# Altium PCB 8-8控制板.PcbDoc (part 1 of 5) (continued)
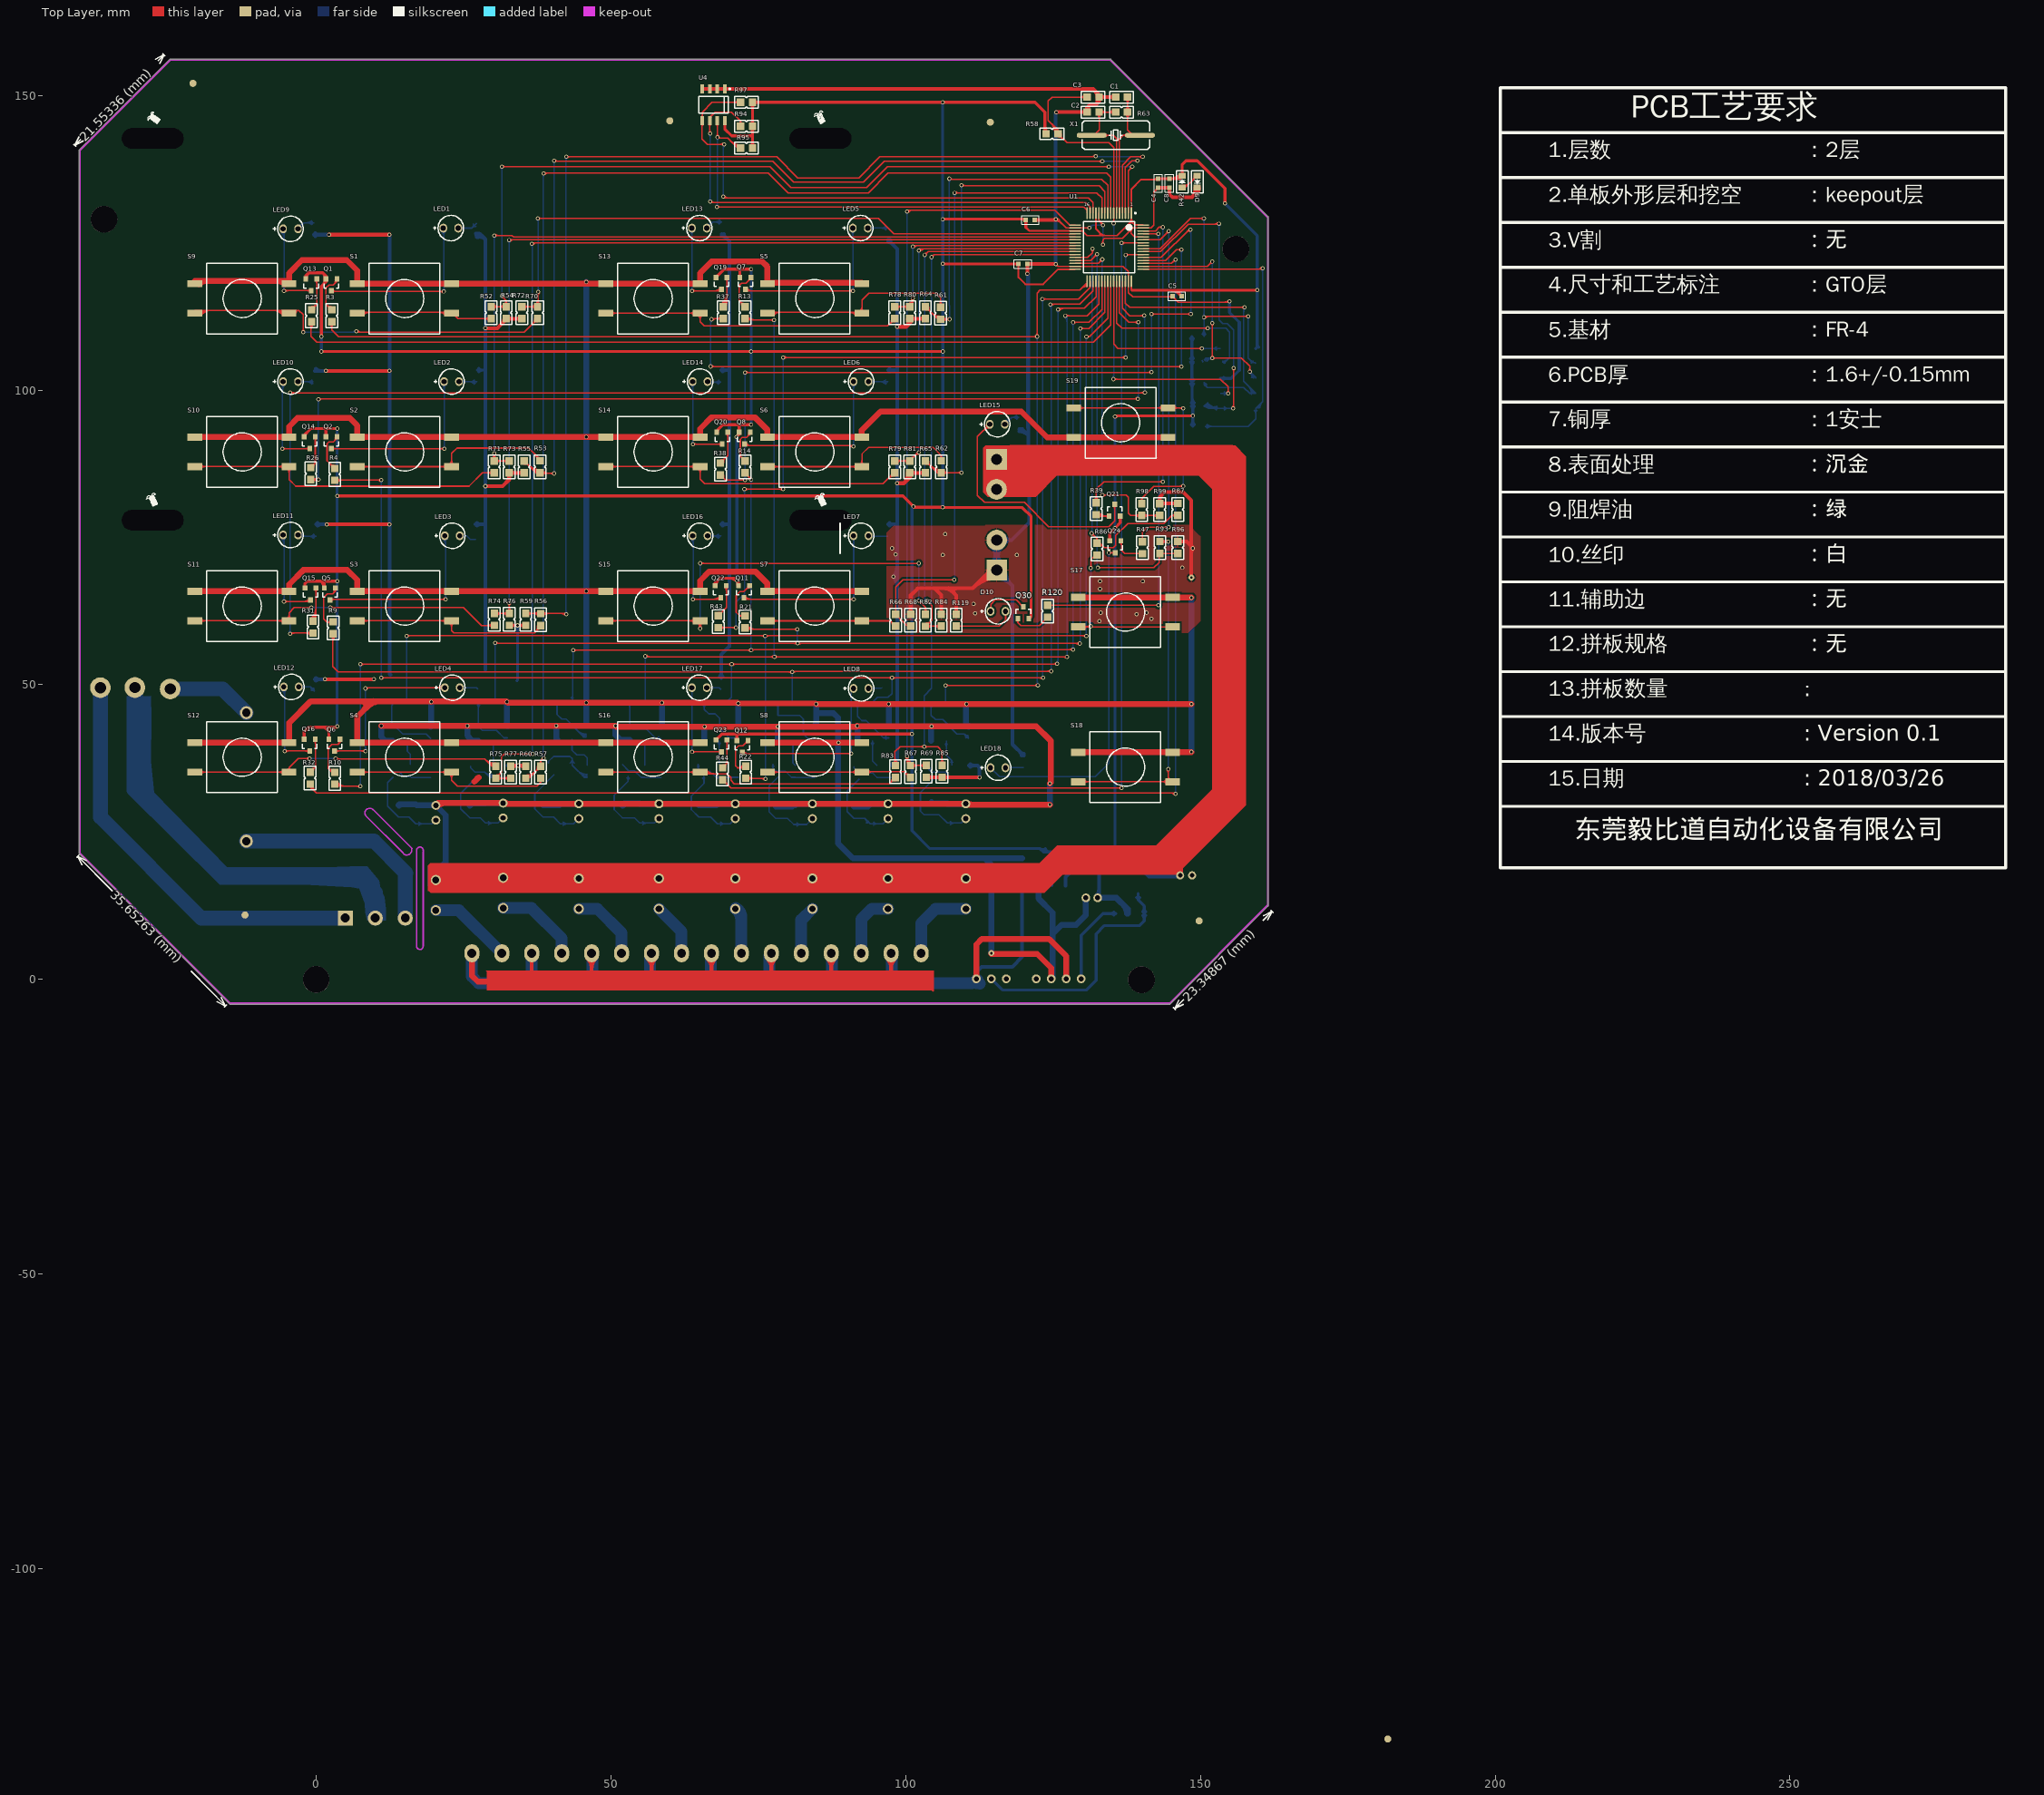
[diagram p0: Top Layer view]
## Components (designator, comment, footprint, x,y, rotation, side; value= is the part's Value field where it differs from the comment) (continued)
R67 "Res2" "0805 R 1/8W" 100.813,34.265 r90 top
R68 "Res2" "0805 R 1/8W" 100.838,61.976 r270 top
R69 "Res2" "0805 R 1/8W" 103.505,34.29 r90 top
R70 "Res2" "0805 R 1/8W" 37.567,112.116 r90 top
R71 "Res2" "0805 R 1/8W" 30.201,85.954 r90 top
R72 "Res2" "0805 R 1/8W" 34.9,112.116 r90 top
R73 "Res2" "0805 R 1/8W" 32.741,85.954 r90 top
R74 "Res2" "0805 R 1/8W" 30.226,60.071 r90 top
R75 "Res2" "0805 R 1/8W" 30.455,36.17 r270 top
R76 "Res2" "0805 R 1/8W" 32.766,60.071 r90 top
R77 "Res2" "0805 R 1/8W" 32.995,36.17 r270 top
R78 "Res2" "0805 R 1/8W" 98.146,112.116 r90 top
R79 "Res2" "0805 R 1/8W" 98.146,85.954 r90 top
R80 "Res2" "0805 R 1/8W" 100.686,112.116 r90 top
R81 "Res2" "0805 R 1/8W" 100.686,85.954 r90 top
R82 "Res2" "0805 R 1/8W" 103.353,61.951 r270 top
R83 "Res2" "0805 R 1/8W" 98.273,34.265 r90 top
R84 "Res2" "0805 R 1/8W" 106.045,61.976 r270 top
R85 "Res2" "0805 R 1/8W" 106.172,34.29 r90 top
R86 "Res2" "0805 R 1/8W" 132.461,72.009 r90 top
R87 "Res2" "0805 R 1/8W" 146.177,80.772 r270 top
R88 "Res2" "0805 R 1/8W" 150.749,97.536 r180 bottom
R89 "Res2" "0805 R 1/8W" 150.749,93.853 r180 bottom
R90 "Res2" "0805 R 1/8W" 150.622,101.346 r180 bottom
R91 "Res2" "0805 R 1/8W" 150.597,105.035 r180 bottom
R92 "Res2" "0805 R 1/8W" 150.597,109.068 r180 bottom
R93 "Res2" "0805 R 1/8W" 143.129,74.295 r270 top
R94 "Res2" "0805 R 1/8W" 71.984,144.755 r0 top
R95 "Res2" "0805 R 1/8W" 71.984,141.072 r0 top
R96 "Res2" "0805 R 1/8W" 146.177,74.295 r270 top
R97 "Res2" "0805 R 1/8W" 71.984,148.819 r0 top
R98 "Res2" "0805 R 1/8W" 140.056,80.747 r270 top
R99 "Res2" "0805 R 1/8W" 143.104,80.747 r270 top
R101 "RES" "0805 R 1/8W" 27.178,128.27 r270 bottom
R102 "RES" "0805 R 1/8W" 27.051,75.184 r90 bottom
R103 "RES" "0805 R 1/8W" 97.028,127.508 r270 bottom
R104 "RES" "0805 R 1/8W" 97.028,75.184 r90 bottom
R105 "RES" "0805 R 1/8W" -0.381,128.397 r270 bottom
R106 "RES" "0805 R 1/8W" 0,75.184 r90 bottom
R107 "RES" "0805 R 1/8W" 68.834,128.524 r270 bottom
R108 "RES" "0805 R 1/8W" 68.707,75.184 r90 bottom
R109 "RES" "0805 R 1/8W" 27.305,101.346 r90 bottom
R110 "RES" "0805 R 1/8W" 27.432,49.276 r90 bottom
R111 "RES" "0805 R 1/8W" 97.028,101.346 r90 bottom
R112 "RES" "0805 R 1/8W" 96.012,49.53 r90 bottom
R113 "RES" "0805 R 1/8W" -0.254,101.346 r90 bottom
R114 "RES" "0805 R 1/8W" -0.254,48.895 r90 bottom
R115 "RES" "0805 R 1/8W" 68.707,101.346 r90 bottom
R116 "RES" "0805 R 1/8W" 68.707,49.149 r90 bottom
R117 "RES" "0805 R 1/8W" 119.253,95.377 r270 bottom
R118 "RES" "0805 R 1/8W" 120.015,35.941 r90 bottom
R119 "RES" "0805 R 1/8W" 108.585,59.944 r90 top
R120 "RES" "0805 R 1/8W" 124.079,63.5 r270 top
S1 "S_SET" 12*12*4.3 14.961,115.545 r0 top locked
S2 "S_SET" 12*12*4.3 14.961,89.51 r0 top locked
S3 "S_SET" 12*12*4.3 14.961,63.348 r0 top locked
S4 "S_SET" 12*12*4.3 14.961,37.694 r0 top locked
S5 "S_SET" 12*12*4.3 84.557,115.545 r0 top locked
S6 "S_SET" 12*12*4.3 84.557,89.51 r0 top locked
S7 "S_SET" 12*12*4.3 84.557,63.348 r0 top locked
S8 "S_SET" 12*12*4.3 84.557,37.694 r0 top locked
S9 "S_SET" 12*12*4.3 -12.598,115.545 r0 top locked
S10 "S_SET" 12*12*4.3 -12.598,89.51 r0 top locked
S11 "S_SET" 12*12*4.3 -12.598,63.348 r0 top locked
S12 "S_SET" 12*12*4.3 -12.598,37.694 r0 top locked
S13 "S_SET" 12*12*4.3 57.125,115.545 r0 top locked
S14 "S_SET" 12*12*4.3 57.125,89.51 r0 top locked
S15 "S_SET" 12*12*4.3 57.125,63.348 r0 top locked
S16 "S_SET" 12*12*4.3 57.125,37.694 r0 top locked
S17 "S_SET" 12*12*4.3 137.262,62.332 r0 top locked
S18 "S_SET" 12*12*4.3 137.262,36.043 r0 top locked
S19 "S_SET" 12*12*4.3 136.5,94.463 r180 top locked
U1 "STM32F103RBT6" STM32F103RBT6 138.278,130.023 r270 top
U2 "AMS1117" SOT223_L 124.816,18.771 r90 bottom
U3 "WRB2405S-3WR2" WRB_S-3WR2 111.989,0.102 r0 bottom
U4 "AT24C16A" SOIC 69.317,151.105 r270 top
X1 "12M" "XTAL SMD" 131.547,143.231 r0 top

## Footprints (in the part's own frame and the unit in brackets; to place one, negate y for a bottom-side part, rotate by r counter-clockwise, add the part's x,y. Pads: shape width x height; smd on the part's side, far side on the other; paste and mask are expansions set on the pad)
1A/250V-1 [mil]
  round 87 hole 55: 1(0,0) 2(858,0)
  silkscreen extent -82,-166 940,163
12*12*4.3 [mm]
  rect 2.5x1.2 smd: 1(-8,2.5) 2(-8,-2.5) 3(8,-2.5) 4(8,2.5)
  silkscreen extent -6.01,-6 6,6
"0603 C" [mil]
  rect 30x30 smd: 1(0,0) 2(60,0)
  silkscreen extent -28,-28 88,28
"0805 C" [mil]
  rect 50x50 smd: 1(0,0) 2(80,0)
  silkscreen extent -39,-39 119,39
"0805 D" [mil]
  rect 40x50 smd: 1(0,0) 2(80,0)
  silkscreen extent -34,-39 114,39
"0805 R 1/8W" [mil]
  rect 50x50 smd: 1(0,0) 2(80,0)
  silkscreen extent -39,-39 119,39
"9012  SOT-23/TO-236)" [mil]
  rect 32x36 smd: 1(-74,0) 2(0,0) 3(-37,79)
  silkscreen extent -86,32 12,62
"C 10uF/50V" [mil]
  round 54 hole 30: 1(0,0) 2(80,0)
  silkscreen extent -64,-104 144,104
"C 100uF/16V φ5*11mm SIP" [mil]
  round 58 hole 34: 1(-39.37,0) 2(39.37,0)
  silkscreen extent -98,-98 98,98
"D 1N4148(SOD-80/LL-34)" [mil]
  rect 40x60 smd: 1(0,0) 2(130,0)
  silkscreen extent -34,-48 190,48
"Header 2*5 SMD" [mm]
  rect 1x1.7 smd: 1(0,0) 2(2.54,0) 3(5.08,0) 4(7.62,0) 5(10.16,0) 6(10.16,6) 7(7.62,6) 8(5.08,6) 9(2.54,6) 10(0,6)
  silkscreen extent -1.45,-0.13 10.8,4.98
"L 2.2uH SMD" [mil]
  rect 138x78 smd: 1(0,0) 2(0,276)
  silkscreen extent -150,0 150,276
"LED 3mm SIP" [mil]
  oval 51x59 hole 35: 1(-50,0) 2(50,0)
  silkscreen extent -117,-85 85,85
MMBT5551(SOT-23/TO-236) [mil]
  rect 32x36 smd: 1(0,0) 2(-74,0) 3(-37,79)
  silkscreen extent -86,32 12,62
"Relay PA1a-24V" [mil]
  round 60 hole 36: 1(0,0) 2(0,-99.21)
  round 68 hole 44: 3(0,-498.82) 4(0,-701.57)
  silkscreen extent -150,-769 50,50, body extent -154,-773 54,54, height 497
SOIC [mil]
  rect 62x24 smd: 1(0,0) 2(0,-50) 3(0,-100) 4(0,-150) 5(212.6,-150) 6(212.6,-100) 7(212.6,-50) 8(212.6,0)
  silkscreen extent -5,-173 161,38
"SOP-4 LTV356T" [mil]
  rect 50x32 smd: 1(0,0) 2(0,-100) 3(255.91,-100) 4(255.91,0)
  silkscreen extent -5,-126 214,43
SOT223_L [mm] "SOT223, 4-Leads, Body 6.5x3.5mm, Pitch 2.3mm, Lead Span 7mm, IPC High Density"
  rect 2.1x0.9 smd: 1(-2.85,2.3) 2(-2.85,0) 3(-2.85,-2.3)
  rect 2.1x3.2 smd: 4(2.85,0)
  silkscreen extent -2.97,-3.35 1.5,3.43, body extent -1.85,-3.35 1.85,3.35, height 1.7
STM32F103RBT6 [mm]
  oval 2x0.25 smd: 1(0,0) 2(0,-0.5) 3(0,-1) 4(0,-1.5) 5(0,-2) 6(0,-2.5) 7(0,-3) 8(0,-3.5) 9(0,-4) 10(0,-4.5) 11(0,-5) 12(0,-5.5) 13(0,-6) 14(0,-6.5) 15(0,-7) 16(0,-7.5) 33(11.55,-7.5) 34(11.55,-7) 35(11.55,-6.5) 36(11.55,-6) 37(11.55,-5.5) 38(11.55,-5) 39(11.55,-4.5) 40(11.55,-4) 41(11.55,-3.5) 42(11.55,-3) 43(11.55,-2.5) 44(11.55,-2) 45(11.55,-1.5) 46(11.55,-1) 47(11.55,-0.5) 48(11.55,0)
  oval 0.25x2 smd: 17(2.025,-9.525) 18(2.525,-9.525) 19(3.025,-9.525) 20(3.525,-9.525) 21(4.025,-9.525) 22(4.525,-9.525) 23(5.025,-9.525) 24(5.525,-9.525) 25(6.025,-9.525) 26(6.525,-9.525) 27(7.025,-9.525) 28(7.525,-9.525) 29(8.025,-9.525) 30(8.525,-9.525) 31(9.025,-9.525) 32(9.525,-9.525) 49(9.525,2.025) 50(9.025,2.025) 51(8.525,2.025) 52(8.025,2.025) 53(7.525,2.025) 54(7.025,2.025) 55(6.525,2.025) 56(6.025,2.025) 57(5.525,2.025) 58(5.025,2.025) 59(4.525,2.025) 60(4.025,2.025) 61(3.525,2.025) 62(3.025,2.025) 63(2.525,2.025) 64(2.025,2.025)
  silkscreen extent -0.12,-8.1 10.12,0.8
TIMECON2PIN5.1MMA [mm]
  rect 3.5x3.5 hole 1.9: 1(0,0)
  round 3.5 hole 1.9: 2(0,-5.08)
  silkscreen extent -4.14,-7.65 4.11,2.54
TIMECON3PIN5.1MMA [mil]
  rect 100x100 hole 60: 1(0,0)
  round 100 hole 60: 2(0,-200) 3(0,-400)
  silkscreen extent -72,-500 434,101
TIMECON5.1MMA [mil]
  oval 120x100 hole 60: 1(0,0) 2(0,-200) 3(0,-400) 4(0,-600) 5(0,-800) 6(0,-1000) 7(0,-1200) 8(0,-1400) 9(0,-1600) 10(0,-1800) 11(0,-2000) 12(0,-2200) 13(0,-2400) 14(0,-2600) 15(0,-2800) 16(0,-3000)
  silkscreen extent -162,-3139 162,141
VIA [mm]
  round 3.5 hole 1.9: 1(0,0.015)
  silkscreen extent -1.47,-1.47 1.46,1.47
WRB_S-3WR2 [mil]
  round 59 hole 35: 1(0,0) 2(100,0) 3(200,0) 5(400,0) 6(500,0) 7(600,0) 8(700,0)
  silkscreen extent -84,-276 784,100
"XTAL SMD" [mil]
  oval 200x32 smd: 1(0,0) 2(322.83,0)
  silkscreen extent -63,-95 387,95

## Part data
+24V GND: library part 安装孔3
C1 C2 C3 C4 C5 C6 C7 C8 C10 C11: "Capacitor"
C9 C12: library part Cap2, "Capacitor"
D1 D2 D3 D4 D5 D6 D7 D8: library part Diode
D9 D10 LED1 LED2 LED3 LED4 LED5 LED6 LED7 LED8 LED9 LED10 LED11 LED12 LED13 LED14 LED15 LED16 LED17 LED18: library part LED
F1: library part "Fuse 2", "Fuse"
FG L N: library part PLUG
K1 K2 K3 K4 K5 K6 K7 K8: library part Relay
OC1 OC2 OC3 OC4 OC5 OC6 OC7 OC8: library part Opto1
P1: "Header, 10-Pin"
P5: "Header, 3-Pin"
Q1 Q2 Q5 Q6 Q7 Q8 Q11 Q12 Q13 Q14 Q15 Q16 Q19 Q20 Q21 Q22 Q23 Q24 Q30: library part PNP, "PNP Bipolar Transistor"
Q3 Q4 Q9 Q10 Q17 Q18 Q25 Q26: library part NPN
R42: library part Res2, "Resistor"
R52 R53 R54 R55 R56 R57 R58 R59 R60 R61 R62 R63 R64 R65 R66 R67 R68 R69 R70 R71 R72 R73 R74 R75 R76 R77 R78 R79 R80 R81 R82 R83 R84 R85 R86 R87 R88 R89 R90 R91 R92 R93 R94 R95 R96 R97 R98 R99: "Resistor"
S1 S2 S3 S4 S5 S6 S7 S8 S9 S10 S11 S12 S13 S14 S15 S16 S17 S18 S19: library part SW-PB
U1: library part STM32F103R8T6
U2: library part "Volt Reg", "Voltage Regulator"
X1: library part XTAL, "Crystal Oscillator"

## Free pads (board coordinates)
  round 4.5 hole 4.5 unplated: 0(-35.992,128.981) 0(0,0) 0(156.007,123.952)
  rrect50% 3.5x3.5 hole 3.5 slot 10.5 at 0 deg unplated: 0(-27.737,77.927) 0(-27.737,142.697) 0(85.547,77.927) 0(85.547,142.697)
  round 1.2 smd mask+0.508: 0(-20.904,152.044) 0(-12.065,10.922) 0(59.995,145.694) 0(114.351,145.44) 0(149.784,9.931) 0(181.788,-128.88)
  round 1.2 smd far side mask+0.508: 0(-17.475,147.345) 0(-12.268,1.041) 0(121.717,150.393)
  round 4.5 hole 4.5: 0(140.005,-0.051)

## Via types
v1: diameter 0.7, hole 0.4, Top Layer to Bottom Layer, 242 vias
v2: diameter 0.7, hole 0.5, Top Layer to Bottom Layer, 18 vias
v3: diameter 1, hole 0.4, Top Layer to Bottom Layer, 2 vias

## Nets (pads, with @x,y where several pads share a name; then routed paths per layer and width w, separated by ;. In a path a pad name is that pad's centre, name@x,y a point inside that pad or via, vN(x,y) a via of type N, cw(c..) or ccw(c..) an arc to the next point about the centre after c; other vN are vias at no path point)
+3.3V: C4.1 C5.1 C6.1 C7.1 C8.1 C11.1 C12.1 P1.1 Q1.2 Q2.2 Q5.2 Q6.2 Q7.2 Q8.2 Q11.2 Q12.2 Q13.2 Q14.2 Q15.2 Q16.2 Q19.2 Q20.2 Q21.2 Q22.2 Q23.2 Q24.2 Q30.2 R42.2 R58.2 R88.2 R89.2 R90.2 R91.2 R92.2 R94.2 R95.2 R97.2 U1.1 U1.13 U1.19 U1.32 U1.48 U1.64 U2.2 U2.4 U4.8 | length 982.9
  Top Layer w0.3: C7.1@118.963,121.249 cw(c118.568,120.854) 119.126,120.854 cw(c119.684,120.854) C7.1@119.289,121.249 ; C7.1@119.126,121.412 119.126,119.126 120.282,117.97 123.33,117.97 125.857,120.498 U1.32@128.753,120.498 ; 120.371,127.61 120.983,126.998 U1.19@128.753,126.998 130,126.998 130.785,126.213 133.403,126.213 ; U1.13@132.278,130.023 132.278,127.338 133.403,126.213 ; U1.48@138.278,118.473 138.278,117.069 138.405,116.942 ; U1.64@140.303,127.998 138.906,127.998 138.278,128.626 ; 141.985,135.738 ccw(c141.985,136.729) C4.1@142.686,136.028 ; C4.1@142.723,135.738 139.929,135.738 138.278,134.087 U1.1@138.278,130.023 138.278,128.626 ; 133.403,126.213 135.865,126.213 138.278,128.626
  Top Layer w0.5: Q16.2@-2.032,40.767 -2.032,42.037 -1.27,42.799 1.397,42.799 ; Q14.2@-2.032,92.075 -2.032,92.329 -0.889,93.472 v1(3.556,93.472) ; Q15.2@-1.905,66.421 -1.905,67.183 -1.524,67.564 0.889,67.564 ; Q14.2@-1.876,92.126 cw(c-1.007,92.126) -1.621,92.74 ; Q13.2@-1.778,118.872 -1.778,119.38 -1.27,119.888 ; Q13.2@-1.622,118.935 cw(c-0.411,119.029) -1.27,119.888 ; v1(0.889,106.553) v1(73.787,106.553) v1(106.299,106.553) ; v1(0.889,109.093) 0.889,117.602 1.651,118.364 Q1.2@1.651,118.872 1.651,119.38 1.143,119.888 ; 1.061,117.774 ccw(c0.013,118.821) Q1.2@1.495,118.821 ; Q5.2@1.242,66.495 ccw(c0.003,66.678) 0.889,67.564 ; Q5.2@1.397,66.421 1.397,67.056 0.889,67.564 ; Q1.2@1.495,118.935 ccw(c0.284,119.029) 1.143,119.888 ; Q2.2@1.651,92.075 1.651,93.345 ; Q6.2@2.159,40.767 2.159,42.037 1.397,42.799 ; 3.008,42.799 ccw(c3.008,43.474) v1@3.485,42.997 ; v1(3.556,42.926) 3.429,42.799 1.397,42.799 ; v1(3.556,67.564) 0.889,67.564 ; v1(3.556,82.042) 99.517,82.042 v1(101.321,80.239) 101.448,80.112 v1(106.274,80.112) 106.312,80.073 119.761,80.073 121.285,78.549 121.285,61.595 Q30.2@120.904,61.214 ; Q22.2@67.691,66.802 67.691,67.31 68.453,68.072 70.993,68.072 v1(71.374,67.691) ; Q23.2@67.818,40.64 68.834,41.656 71.374,41.656 ; Q23.2@67.818,40.847 ccw(c67.818,41.347) Q23.2@68.172,40.994 ; Q19.2@67.818,119.126 69.215,120.523 v1(73.787,120.523) ; Q19.2@67.818,119.333 ccw(c67.818,119.833) Q19.2@68.172,119.48 ; Q22.2@67.847,66.853 cw(c69.329,66.853) 68.281,67.9 ; Q20.2@67.945,92.837 67.945,93.091 68.961,94.107 v1(73.787,94.107) ; Q20.2@68.101,92.888 cw(c68.97,92.888) 68.356,93.502 ; U4.8@69.317,145.705 69.317,144.297 70.485,143.129 73.914,143.129 ; 70.213,68.072 cw(c70.213,66.53) 71.303,67.62 cw(c70.519,66.836) Q11.2@71.628,66.836 ; v1@71.373,67.591 cw(c71.369,67.332) 71.628,67.332 ; Q12.2@71.374,40.513 71.374,41.656 ; Q11.2@71.49,66.926 ccw(c70.913,67.23) v1(71.374,67.691) ; Q8.2@71.599,92.779 cw(c70.664,92.737) v1(71.326,92.075) 71.755,92.504 Q8.2@71.755,92.837 71.755,94.107 ; Q11.2@71.628,66.802 71.628,67.437 v1(71.374,67.691) ; Q7.2@71.882,119.126 71.882,120.396 ; R95.2@73.743,141.344 ccw(c73.086,142.001) 74.016,142.001 ccw(c74.945,142.001) R95.2@74.288,141.344 ; R94.2@73.743,144.482 cw(c73.086,143.825) 74.016,143.825 cw(c74.945,143.825) R94.2@74.288,144.482 ; R94.2@73.743,145.027 ccw(c73.086,145.684) 74.016,145.684 ccw(c74.945,145.684) R94.2@74.288,145.027 ; R97.2@73.743,148.546 cw(c73.086,147.889) 74.016,147.889 cw(c74.945,147.889) 74.288,148.546 cw(c74.945,147.889) 74.945,148.819 cw(c74.945,149.748) R97.2@74.288,149.091 ; R95.2@73.826,141.407 ccw(c73.642,141.732) 74.016,141.732 ; 74.016,143.027 74.016,141.732 ; 74.016,143.231 R94.2@74.016,144.755 R97.2@74.016,148.819 121.945,148.819 123.626,147.138 123.626,143.658 R58.2@123.8,143.485 ; R95.2@74.205,141.407 cw(c74.389,141.732) 74.016,141.732 ; v1(101.092,41.656) 71.374,41.656 ; v1@101.391,80.309 ccw(c101.869,80.787) 101.869,80.112 ; v1(106.274,129.007) 120.244,129.007 C6.1@120.371,128.88 120.371,127.61 ; v1(106.299,121.412) C7.1@119.126,121.412 ; 119.748,129.007 cw(c119.748,128.257) C6.1@120.278,128.787 ; 123.626,144.834 ccw(c125.149,144.834) R58.2@124.072,143.757 ; Q24.2@134.62,74.422 134.62,75.692 v1(135.509,76.581) 136.398,77.47 Q21.2@136.398,78.613 ; v1(135.509,95.504) 135.636,95.631 v1(148.717,95.631) ; v1@135.58,95.433 cw(c136.057,94.956) 136.057,95.631 ; 138.405,116.942 145.771,116.942 ; C4.1@142.723,135.738 C4.1@142.85,135.865 C8.1@144.755,135.865 146.406,135.865 R42.2@146.914,136.373 146.914,138.278 147.549,138.913 149.454,138.913 154.153,134.214 v1(154.153,131.674) ; C8.1@144.937,135.865 ccw(c144.937,138.222) R42.2@146.604,136.555 ; 146.144,135.865 ccw(c146.144,137.015) R42.2@146.958,136.201 ; R42.2@146.731,136.555 ccw(c146.291,136.995) 146.914,136.995 ccw(c147.536,136.995) R42.2@147.096,136.555 ; C5.1@146.787,115.926 145.771,116.942 ; v1(159.639,116.967) 159.614,116.942 145.771,116.942 ; -1.27,119.888 1.143,119.888
  Bottom Layer w0.5: v1(0.889,106.553) v1(0.889,109.093) ; v1(3.556,42.926) v1(3.556,67.564) v1(3.556,93.472) ; v1@71.255,92.004 cw(c70.967,91.717) 71.374,91.717 ; v1(71.326,92.075) 71.374,92.027 v1(71.374,67.691) ; v1(73.787,94.107) v1(73.787,106.553) v1(73.787,120.523) ; 101.067,79.384 cw(c102.175,79.384) v1@101.391,80.168 ; v1(101.321,80.239) 101.067,79.985 101.067,25.248 104.115,22.2 122.784,22.2 ; v1(106.274,80.112) 106.299,80.137 v1(106.299,106.553) v1(106.299,121.412) 106.299,128.981 v1(106.274,129.007) v1(106.274,148.819) ; 123.142,21.841 ccw(c123.602,22.302) U2.4@124.056,21.835 ; U2.4@123.707,22.194 cw(c123.249,22.664) 122.784,22.2 ; U2.2@124.674,16.662 ccw(c124.333,17.003) 124.816,17.003 ccw(c125.298,17.003) U2.2@124.957,16.662 ; U2.2@124.816,15.921 U2.4@124.816,21.621 ; C11.1@129.877,20.403 ccw(c129.22,19.746) 129.22,20.676 ccw(c129.22,21.605) C11.1@129.877,20.948 ; C11.1@130.422,20.403 cw(c131.079,19.746) 131.079,20.676 cw(c131.079,21.605) C11.1@130.422,20.948 ; C12.1@132.544,20.403 ccw(c131.887,19.746) 131.887,20.676 ccw(c131.887,21.605) C12.1@132.544,20.948 ; C12.1@133.089,20.403 cw(c133.746,19.746) 133.746,20.676 cw(c133.746,21.605) C12.1@133.089,20.948 ; v1(135.509,95.504) v1(135.509,76.581) 135.509,21.336 134.849,20.676 C12.1@132.817,20.676 C11.1@130.15,20.676 125.761,20.676 U2.4@124.816,21.621 ; R91.2@148.292,104.763 cw(c147.635,104.106) 148.565,104.106 cw(c149.494,104.106) R91.2@148.837,104.763 ; R91.2@148.292,105.308 ccw(c147.635,105.965) 148.565,105.965 ccw(c149.494,105.965) R91.2@148.837,105.308 ; R92.2@148.292,108.795 cw(c147.635,108.138) 148.565,108.138 cw(c149.494,108.138) R92.2@148.837,108.795 ; R90.2@148.318,101.074 cw(c147.661,100.417) 148.59,100.417 cw(c149.519,100.417) R90.2@148.862,101.074 ; R90.2@148.318,101.618 ccw(c147.722,102.214) 148.565,102.214 ; R89.2@148.445,94.125 ccw(c147.788,94.782) 148.717,94.782 ccw(c149.646,94.782) R89.2@148.989,94.125 ; R88.2@148.445,97.264 cw(c147.788,96.607) 148.717,96.607 cw(c149.646,96.607) R88.2@148.989,97.264 ; R88.2@148.445,97.808 ccw(c148.094,98.159) R88.2@148.59,98.159 ; 148.565,102.337 ccw(c149.581,102.337) R90.2@148.862,101.618 ; R92.2@148.565,109.068 R91.2@148.565,105.035 148.565,101.371 R90.2@148.59,101.346 148.59,97.663 R88.2@148.717,97.536 v1(148.717,95.631) R89.2@148.717,93.853 ; 148.59,98.772 ccw(c149.953,98.772) R88.2@148.989,97.808 ; v1(154.153,131.674) 159.639,126.187 v1(159.639,116.967) 159.639,107.315 P1.1@159.385,107.061 ; 159.639,107.896 ccw(c160.57,107.896) P1.1@159.912,107.238 ; 122.784,22.2 123.363,21.621 U2.4@124.816,21.621
+5V: C9.1 C10.1 C15.1 R5.1 R6.1 R17.1 R18.1 R29.1 R30.1 R45.1 R46.1 S1.1 S1.4 S2.1 S2.4 S3.1 S3.4 S4.1 S4.4 S5.1 S5.4 S6.1 S6.4 S7.1 S7.4 S8.1 S8.4 S9.1 S9.4 S10.1 S10.4 S11.1 S11.4 S12.1 S12.4 S13.1 S13.4 S14.1 S14.4 S15.1 S15.4 S16.1 S16.4 S17.1 S17.4 S18.1 S18.4 S19.1 S19.4 U2.3 U3.6 | length 969.4
  Top Layer w1: S12.1@-20.598,40.194 S12.4@-4.598,40.194 -4.598,43.535 -0.914,47.219 9.627,47.219 ; S11.1@-20.598,65.848 S11.4@-4.598,65.848 -4.598,67.03 -2.159,69.469 5.283,69.469 6.961,67.792 S3.1@6.961,65.848 S3.4@22.961,65.848 S15.1@49.125,65.848 S15.4@65.125,65.848 65.125,67.665 66.675,69.215 74.498,69.215 76.557,67.157 S7.1@76.557,65.848 S7.4@92.557,65.848 ; S10.1@-20.598,92.01 S10.4@-4.598,92.01 -4.598,93.827 -3.175,95.25 5.715,95.25 6.961,94.004 S2.1@6.961,92.01 S2.4@22.961,92.01 S14.1@49.125,92.01 S14.4@65.125,92.01 65.125,93.446 67.056,95.377 74.422,95.377 76.557,93.242 S6.1@76.557,92.01 S6.4@92.557,92.01 92.557,93.192 95.733,96.368 119.609,96.368 124.014,91.963 S19.4@128.5,91.963 134.704,91.963 ; S9.1@-20.598,118.553 -4.598,118.553 -4.598,119.862 -2.413,122.047 5.207,122.047 6.961,120.293 6.961,118.172 7.088,118.045 S1.4@22.961,118.045 S13.1@49.125,118.045 S13.4@65.125,118.045 65.125,119.862 67.056,121.793 75.692,121.793 76.557,120.928 76.557,118.172 S5.4@92.557,118.172 ; S9.1@-19.878,117.974 cw(c-18.481,116.577) -18.481,118.553 ; -6.716,118.553 cw(c-6.716,116.577) S9.4@-5.319,117.974 ; 45.474,118.045 ccw(c45.474,118.686) v2@45.928,118.233 ; v2@45.716,118.233 ccw(c46.169,118.686) 46.169,118.045 ; S16.4@65.125,40.194 S16.1@49.125,40.194 S4.4@22.961,40.194 S4.1@6.961,40.194 6.961,44.553 9.627,47.219 ; S8.1@76.557,40.194 v1(88.581,40.194) S8.4@92.557,40.194 ; v3(114.554,4.445) 114.554,4.318 122.301,4.318 124.689,1.93 U3.6@124.689,0.102 ; S18.1@129.262,38.543 S18.4@145.262,38.543 v1@148.463,38.543 ; S17.1@129.262,64.832 S17.4@145.262,64.832 145.323,64.77 v1(148.463,64.77) ; 134.722,91.963 S19.1@144.5,91.963 ; v1(148.463,46.711) v2(110.338,46.711) v2(97.13,46.711) v2(84.811,46.711) 84.684,46.838 v2(71.603,46.838) 71.476,46.965 v2(58.649,46.965) v2(45.822,46.965) 32.487,46.965 v2(32.36,47.092) 32.233,47.219 19.66,47.219 v2(19.533,47.092) 19.406,47.219 9.627,47.219
  Bottom Layer w1: R46.1@19.31,42.996 ccw(c18.773,43.533) R46.1@19.533,43.533 ; R46.1@19.406,42.901 19.279,43.028 19.533,43.282 v2(19.533,47.092) ; v2(32.36,47.092) 32.36,43.445 32.233,43.318 32.487,43.064 R45.1@32.45,43.028 ; R30.1@45.822,43.155 v2(45.822,46.965) v2(45.822,65.888) v2(45.822,92.05) v2(45.822,118.339) ; R29.1@58.54,42.901 58.776,43.136 58.649,43.263 v2(58.649,46.965) ; R18.1@71.584,43.028 71.603,43.046 v2(71.603,46.838) ; R17.1@84.534,42.996 ccw(c83.865,43.665) 84.811,43.665 ; R17.1@84.629,42.901 84.811,43.082 84.811,45.187 ; v2(84.811,46.711) 84.811,45.187 ; R6.1@97.13,43.028 v2(97.13,46.711) ; v2(110.338,46.711) 110.211,46.584 110.211,43.409 R5.1@110.719,42.901 ; v3(114.554,4.445) 114.554,19.431 113.436,20.549 ; C10.1@119.761,20.574 C9.1@117.094,20.574 117.069,20.549 113.436,20.549 ; U2.3@122.516,15.921 122.516,13.755 124.943,11.328 124.943,7.747 ; U3.6@124.689,0.102 124.943,0.356 124.943,7.747 ; C15.1@130.572,13.843 130.572,10.922 128.921,9.271 126.467,9.271 124.943,7.747 ; v1(148.463,38.608) v1(148.463,46.711) v1(148.463,64.77) ; 84.811,45.187 87.732,45.187 88.519,44.399 88.519,23.063 91.034,20.549 113.436,20.549
+24V: +24V.1 +24V.2 C13.1 D1.2 D2.2 D3.2 D4.2 D5.2 D6.2 D7.2 D8.2 K1.1 K1.3 K2.1 K2.3 K3.1 K3.3 K4.1 K4.3 K5.1 K5.3 K6.1 K6.3 K7.1 K7.3 K8.1 K8.3 L1.1 OC1.4 OC2.4 OC3.4 OC4.4 OC5.4 OC6.4 OC7.4 OC8.4 R1.2 R2.2 R15.2 R16.2 R27.2 R28.2 R40.2 R41.2 | length 516.9
  Top Layer w1: v2(11.024,43.028) v2(25.629,43.028) 39.726,43.028 ; K8.3@20.295,16.876 31.344,16.876 K7.3@31.725,17.257 44.425,17.257 K6.3@44.552,17.13 K5.3@58.141,17.13 K4.3@71.095,17.13 K3.3@84.176,17.13 K2.3@97.003,17.13 K1.3@110.211,17.13 ; K8.1@20.295,29.546 20.676,29.927 K7.1@31.725,29.927 31.852,29.8 K6.1@44.552,29.8 K5.1@58.141,29.8 K4.1@71.095,29.8 K3.1@84.176,29.8 K2.1@97.003,29.8 K1.1@110.211,29.8 110.338,29.673 v1(124.46,29.673) ; K8.1@20.48,29.36 cw(c21.847,27.993) 21.847,29.927 ; K8.3@20.552,16.618 cw(c21.172,15.998) 21.172,16.876 cw(c21.172,17.753) K8.3@20.552,17.133 ; 29.927,16.876 ccw(c29.927,19.054) K7.3@31.467,17.514 ; K7.1@31.91,30.112 ccw(c32.664,30.866) 32.664,29.8 ; K7.3@31.982,16.999 cw(c32.602,16.379) 32.602,17.257 cw(c32.602,18.134) K7.3@31.982,17.514 ; v2(40.716,43.053) 39.751,43.053 39.726,43.028 ; 43.367,17.257 cw(c43.367,15.945) K6.3@44.294,16.872 ; K6.3@44.809,16.872 cw(c45.429,16.252) 45.429,17.13 cw(c45.429,18.007) K6.3@44.809,17.387 ; K5.3@57.883,16.872 ccw(c57.263,16.252) 57.263,17.13 ccw(c57.263,18.007) K5.3@57.883,17.387 ; K5.3@58.398,16.872 cw(c59.018,16.252) 59.018,17.13 cw(c59.018,18.007) K5.3@58.398,17.387 ; K4.3@70.837,16.872 ccw(c70.217,16.252) 70.217,17.13 ccw(c70.217,18.007) K4.3@70.837,17.387 ; K4.3@71.352,16.872 cw(c71.972,16.252) 71.972,17.13 cw(c71.972,18.007) K4.3@71.352,17.387 ; K3.3@83.918,16.872 ccw(c83.298,16.252) 83.298,17.13 ccw(c83.298,18.007) K3.3@83.918,17.387 ; K3.3@84.433,16.872 cw(c85.053,16.252) 85.053,17.13 cw(c85.053,18.007) K3.3@84.433,17.387 ; K2.3@96.745,16.872 ccw(c96.125,16.252) 96.125,17.13 ccw(c96.125,18.007) K2.3@96.745,17.387 ; K2.3@97.26,16.872 cw(c97.88,16.252) 97.88,17.13 cw(c97.88,18.007) K2.3@97.26,17.387 ; K1.3@109.953,16.872 ccw(c109.333,16.252) 109.333,17.13 ccw(c109.333,18.007) K1.3@109.953,17.387 ; K1.1@110.396,29.985 ccw(c111.15,30.739) 111.15,29.673 ; +24V.1@115.418,88.24 115.877,88.24 117.831,90.193 ; +24V.1@115.614,89.474 ccw(c116.018,92.006) 117.83,90.193 ; +24V.1@116.668,88.24 cw(c118.576,88.24) 117.227,89.589 ; v1(124.46,33.274) 124.587,33.401 124.587,40.513 122.174,42.926 v1(104.394,42.926) 91.897,42.926 v2(91.796,43.028) 91.669,42.901 v2(78.334,42.901) v2(65.888,42.901) 50.902,42.901 v2(50.775,43.028) 39.726,43.028 ; C13.1@146.558,17.653 146.558,25.908 ; 155.321,90.193 117.831,90.193
  Bottom Layer w1: v2(11.024,43.028) 11.024,41.173 11.692,40.505 OC8.4@12.929,40.505 ; R41.2@13.97,29.591 14.097,29.718 D8.2@16.891,29.718 17.063,29.546 K8.1@20.295,29.546 21.971,27.869 21.971,19.939 20.295,18.263 K8.3@20.295,16.876 ; R41.2@14.065,29.496 cw(c14.603,28.958) R41.2@14.603,29.718 ; K8.3@20.037,17.133 ccw(c19.417,17.753) 20.295,17.753 ccw(c21.172,17.753) K8.3@20.552,17.133 ; v2(25.629,43.028) 25.629,41.377 26.5,40.505 OC7.4@27.534,40.505 ; R40.2@26.035,29.464 26.416,29.845 D7.2@28.702,29.845 28.784,29.927 K7.1@31.725,29.927 ; R28.2@38.481,29.591 41.275,29.591 D6.2@41.402,29.718 41.484,29.8 K6.1@44.552,29.8 ; v2(40.716,43.053) 40.716,40.894 OC6.4@40.869,40.742 ; v2(50.775,43.028) 50.775,41.504 51.664,40.615 OC5.4@53.188,40.615 ; R27.2@51.943,29.464 52.324,29.845 D5.2@54.864,29.845 54.909,29.8 K5.1@58.141,29.8 ; R16.2@64.897,29.591 67.945,29.591 D4.2@68.072,29.718 68.154,29.8 K4.1@71.095,29.8 ; OC4.4@65.826,40.505 65.826,42.839 v2(65.888,42.901) ; R15.2@77.978,29.337 80.772,29.337 D3.2@81.026,29.591 81.235,29.8 K3.1@84.176,29.8 ; OC3.4@78.334,40.465 v2(78.334,42.901) ; 80.139,29.337 ccw(c80.139,30.224) D3.2@80.766,29.597 ; D3.2@81.286,29.585 cw(c81.803,29.068) 81.803,29.8 ; R2.2@91.186,29.337 93.599,29.337 D2.2@93.98,29.718 94.062,29.8 K2.1@97.003,29.8 ; v2(91.796,43.028) 91.843,42.98 OC2.4@91.843,40.505 ; 92.787,29.337 ccw(c92.787,30.657) D2.2@93.72,29.724 ; R1.2@104.267,29.972 104.394,29.845 D1.2@107.061,29.845 107.106,29.8 K1.1@110.211,29.8 ; OC1.4@104.343,40.505 104.343,42.875 v1(104.394,42.926) ; R1.2@104.362,30.067 ccw(c104.9,30.605) R1.2@104.9,29.845 ; +24V.1@114.323,88.24 +24V.1@115.418,88.24 +24V.2@115.418,83.16 ; +24V.2@114.534,84.043 ccw(c112.4,86.177) 115.418,86.177 ccw(c118.435,86.177) +24V.2@116.301,84.043 ; +24V.1@114.534,87.356 cw(c112.4,85.222) 115.418,85.222 cw(c118.435,85.222) +24V.1@116.301,87.356 ; v1(124.46,29.673) v1(124.46,33.274) ; L1.1@139.099,21.243 cw(c138.262,20.406) 139.446,20.406 cw(c140.63,20.406) L1.1@139.793,21.243 ; L1.1@139.446,21.59 139.446,19.558 141.351,17.653 C13.1@146.558,17.653